# Allegro board RK3588S_Tablet_Demo_LP4XD200P232SD10H2_V11_20220218.brd
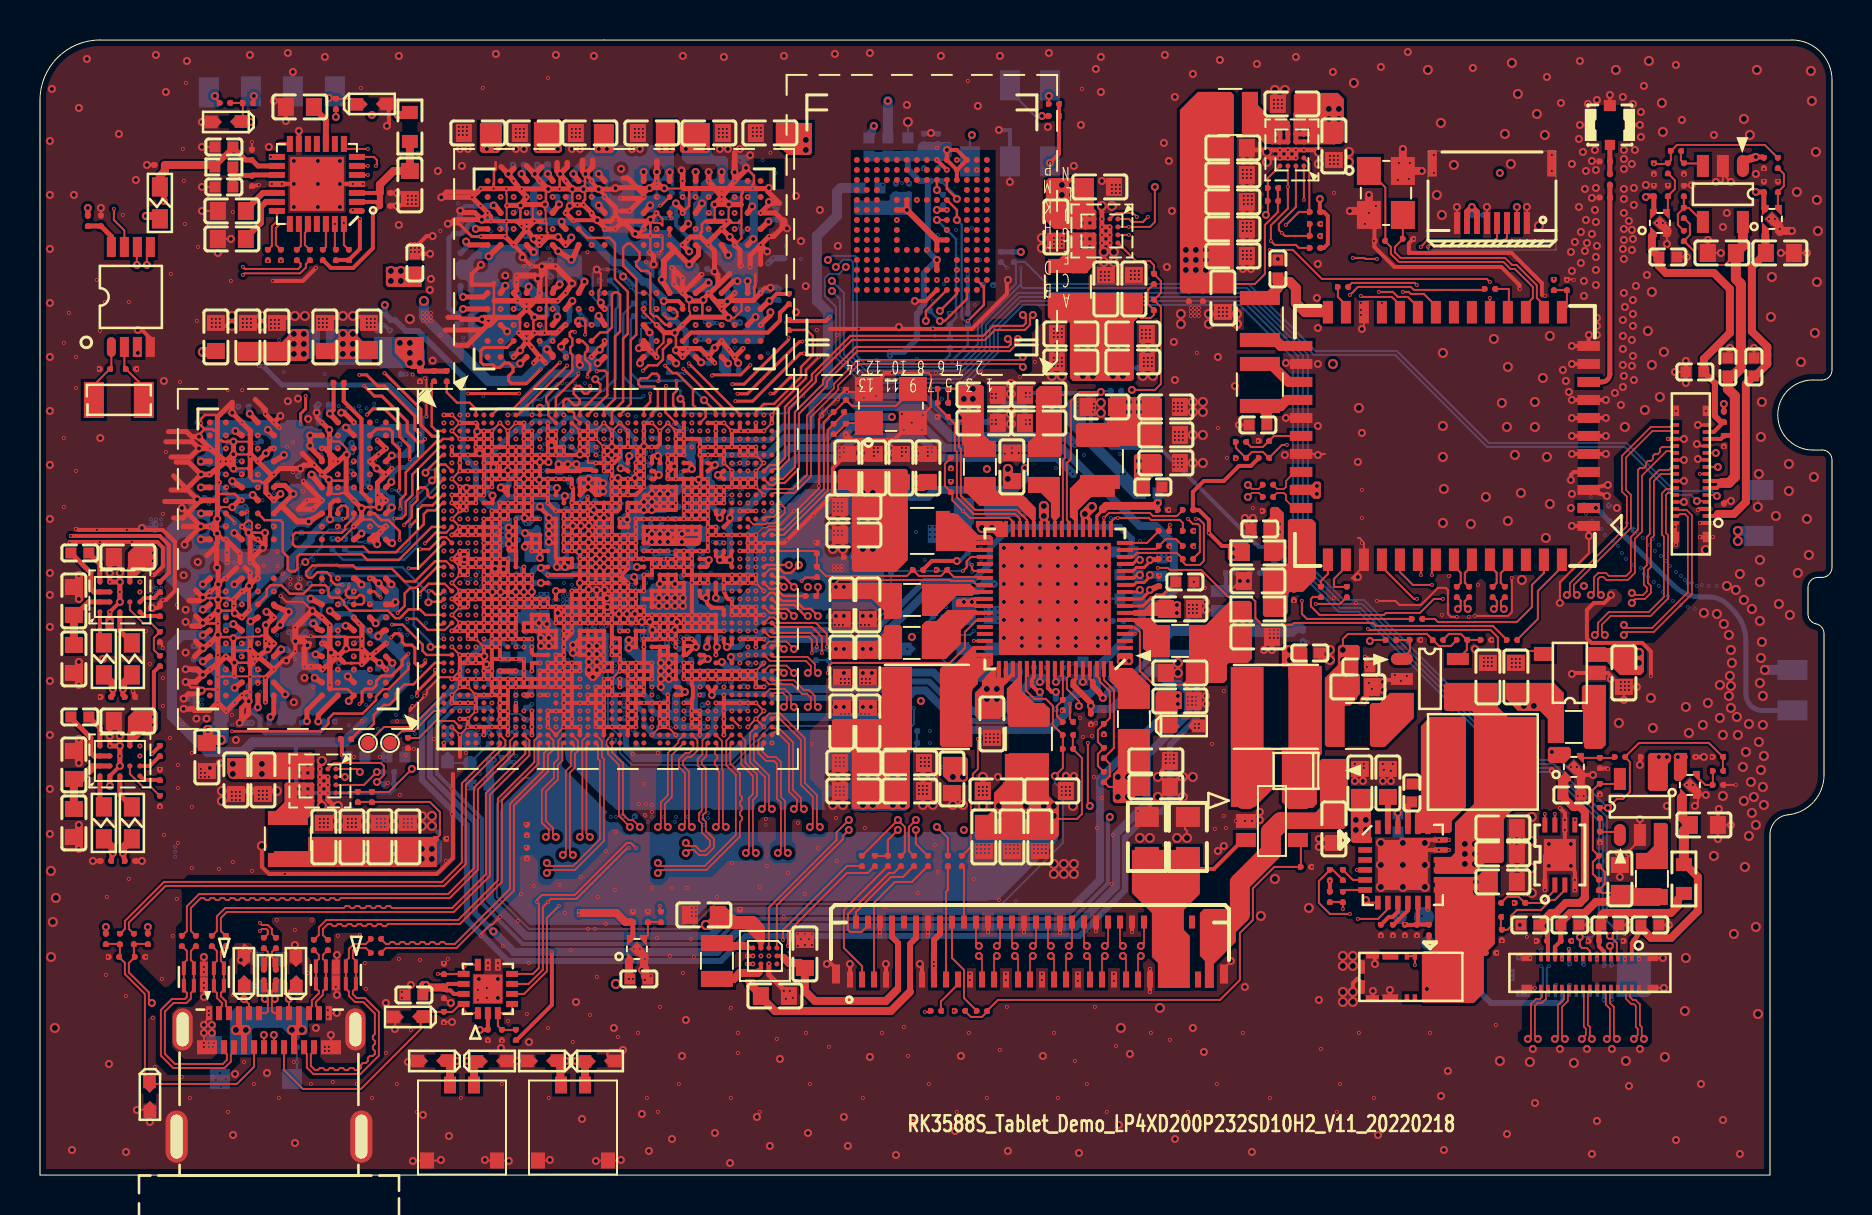
[diagram p0: board, top side]
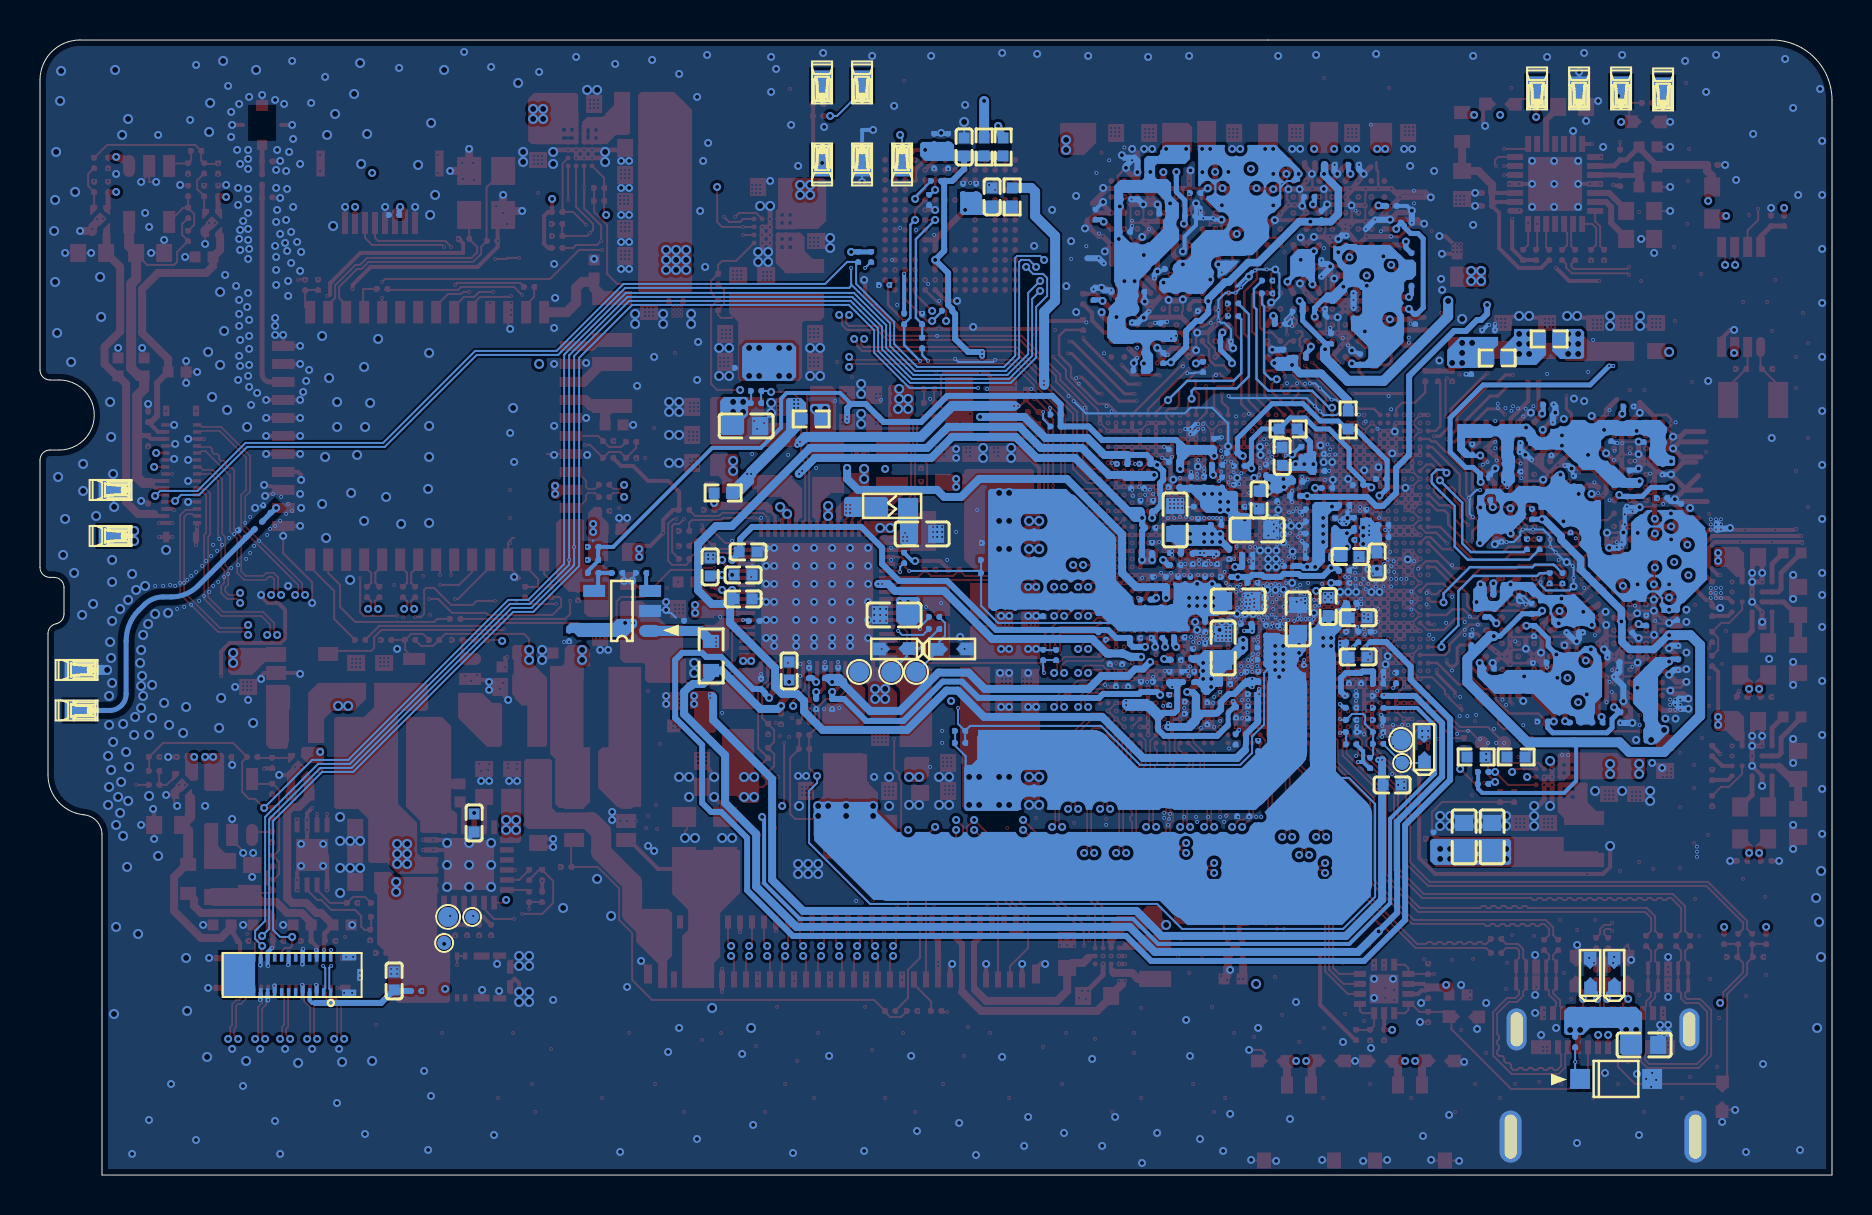
[diagram p1: board, bottom side, seen from below]

Outline 89.6 x 56.75 mm; copper layers: TOP, GND02, S03, POWER04, POWER05, S06, GND07, S08, GND09, BOTTOM. Coordinates in mm from the lower left corner of the outline.
Outline path: 0,53.75 0,0 86.5,0 86.5,17.02 arc(86.76,17.69) 87.4,18.01 arc(88.68,18.66) 89.2,20 89.2,27.07 arc(89.09,27.39) 88.8,27.56 arc(88.51,27.73) 88.4,28.05 88.4,29.38 arc(88.55,29.73) 88.9,29.88 89.1,29.88 arc(89.45,30.03) 89.6,30.38 89.6,35.75 arc(89.45,36.1) 89.1,36.25 88.65,36.25 arc(86.9,38) 88.65,39.75 89.1,39.75 arc(89.45,39.9) 89.6,40.25 89.6,54.75 arc(89.01,56.16) 87.6,56.75 28.21,56.75 3,56.75 arc(0.88,55.87) 0,53.75

## Design rules (mm)
net group DDR_A_CLK: nets DDR_CH0_CLKN_A DDR_CH0_CLKP_A
net group DDR_A_DQS0: nets DDR_CH0_DQS0N_A DDR_CH0_DQS0P_A
net group DDR_A_DQS1: nets DDR_CH0_DQS1N_A DDR_CH0_DQS1P_A
net group DDR_B_CLK: nets DDR_CH0_CLKN_B DDR_CH0_CLKP_B
net group DDR_B_DQS0: nets DDR_CH0_DQS0N_B DDR_CH0_DQS0P_B
net group DDR_B_DQS1: nets DDR_CH0_DQS1N_B DDR_CH0_DQS1P_B
net group DDR_C_CLK: nets DDR_CH1_CLKN_C DDR_CH1_CLKP_C
net group DDR_C_DQS0: nets DDR_CH1_DQS0N_C DDR_CH1_DQS0P_C
net group DDR_C_DQS1: nets DDR_CH1_DQS1N_C DDR_CH1_DQS1P_C
net group DDR_CH0_LP4/4X_CKE0_A: nets DDR_CH0_LP4/4X_CKE0_A N29584131
net group DDR_CH0_LP4/4X_CKE0_B: nets DDR_CH0_LP4/4X_CKE0_B N63380618
net group DDR_CH0_LP4/4X_CKE1_A: nets DDR_CH0_LP4/4X_CKE1_A N29584146
net group DDR_CH0_LP4/4X_CKE1_B: nets DDR_CH0_LP4/4X_CKE1_B N63380616
net group DDR_CH1_LP4/4X_CKE0_C: nets DDR_CH1_LP4/4X_CKE0_C N29609736
net group DDR_CH1_LP4/4X_CKE0_D: nets DDR_CH1_LP4/4X_CKE0_D N29482643
net group DDR_CH1_LP4/4X_CKE1_C: nets DDR_CH1_LP4/4X_CKE1_C N29609761
net group DDR_CH1_LP4/4X_CKE1_D: nets DDR_CH1_LP4/4X_CKE1_D N29482645
net group DDR_D_CLK: nets DDR_CH1_CLKN_D DDR_CH1_CLKP_D
net group DDR_D_DQS0: nets DDR_CH1_DQS0N_D DDR_CH1_DQS0P_D
net group DDR_D_DQS1: nets DDR_CH1_DQS1N_D DDR_CH1_DQS1P_D
net group MIPI_CSI0_RX_CLK0: nets MIPI_CSI0_RX_CLK0N MIPI_CSI0_RX_CLK0P
net group MIPI_CSI0_RX_D0: nets MIPI_CSI0_RX_D0N MIPI_CSI0_RX_D0P
net group MIPI_CSI0_RX_D1: nets MIPI_CSI0_RX_D1N MIPI_CSI0_RX_D1P
net group MIPI_CSI0_RX_D2: nets MIPI_CSI0_RX_D2N MIPI_CSI0_RX_D2P
net group MIPI_CSI0_RX_D3: nets MIPI_CSI0_RX_D3N MIPI_CSI0_RX_D3P
net group MIPI_DPHY0_RX_CLK: nets MIPI_DPHY0_RX_CLKN MIPI_DPHY0_RX_CLKP
net group MIPI_DPHY0_RX_D0: nets MIPI_DPHY0_RX_D0N MIPI_DPHY0_RX_D0P
net group MIPI_DPHY0_RX_D1: nets MIPI_DPHY0_RX_D1N MIPI_DPHY0_RX_D1P
net group MIPI_DPHY0_RX_D2: nets MIPI_DPHY0_RX_D2N MIPI_DPHY0_RX_D2P
net group MIPI_DPHY0_RX_D3: nets MIPI_DPHY0_RX_D3N MIPI_DPHY0_RX_D3P
net group MIPI_DPHY0_TX_CLK: nets MIPI_DPHY0_TX_CLKN MIPI_DPHY0_TX_CLKP
net group MIPI_DPHY0_TX_D0: nets MIPI_DPHY0_TX_D0N MIPI_DPHY0_TX_D0P
net group MIPI_DPHY0_TX_D1: nets MIPI_DPHY0_TX_D1N MIPI_DPHY0_TX_D1P
net group MIPI_DPHY0_TX_D2: nets MIPI_DPHY0_TX_D2N MIPI_DPHY0_TX_D2P
net group MIPI_DPHY0_TX_D3: nets MIPI_DPHY0_TX_D3N MIPI_DPHY0_TX_D3P
net group MIPI_DPHY1_TX_CLK: nets MIPI_DPHY1_TX_CLKN MIPI_DPHY1_TX_CLKP
net group MIPI_DPHY1_TX_D0: nets MIPI_DPHY1_TX_D0N MIPI_DPHY1_TX_D0P
net group MIPI_DPHY1_TX_D1: nets MIPI_DPHY1_TX_D1N MIPI_DPHY1_TX_D1P
net group MIPI_DPHY1_TX_D2: nets MIPI_DPHY1_TX_D2N MIPI_DPHY1_TX_D2P
net group MIPI_DPHY1_TX_D3: nets MIPI_DPHY1_TX_D3N MIPI_DPHY1_TX_D3P
net group PCIE20_0_REFCLK: nets PCIE20_0_REFCLKN PCIE20_0_REFCLKP
net group PCIE20_0_RX: nets PCIE20_0_RXN PCIE20_0_RXP
net group PCIE20_0_TX: nets PCIE20_0_TXN PCIE20_0_TXP
net group PCIE_RD: nets PCIE_RDN PCIE_RDP
net group PCIE_REFCLK: nets PCIE_REFCLKN PCIE_REFCLKP
net group PCIE_TD: nets PCIE_TDN PCIE_TDP
net group TYPEC0_SBU1: nets TYPEC0_SBU1 TYPEC_SBU1
net group TYPEC0_SBU2: nets TYPEC0_SBU2 TYPEC_SBU2
net group TYPEC0_SSRX1N: nets TYPEC0_SSRX1N TYPEC_SSRX1N
net group TYPEC0_SSRX1P: nets TYPEC0_SSRX1P TYPEC_SSRX1P
net group TYPEC0_SSRX2N: nets TYPEC0_SSRX2N TYPEC_SSRX2N
net group TYPEC0_SSRX2P: nets TYPEC0_SSRX2P TYPEC_SSRX2P
net group TYPEC0_SSTX1N: nets TYPEC0_SSTX1N TYPEC_SSTX1N
net group TYPEC0_SSTX1P: nets TYPEC0_SSTX1P TYPEC_SSTX1P
net group TYPEC0_SSTX2N: nets TYPEC0_SSTX2N TYPEC_SSTX2N
net group TYPEC0_SSTX2P: nets TYPEC0_SSTX2P TYPEC_SSTX2P
net group PWR_0.2MM: nets VCC_1V8_LCD
net group TYPEC0_OTG0DM: nets N30546548 TYPEC0_OTG0DM TYPEC0_OTG_DM
net group TYPEC0_OTG0DP: nets N30546566 TYPEC0_OTG0DP TYPEC0_OTG_DP
nets with their own width: min track width 0.064; nets GND

## Placement (name value [footprint] x y rotation side)
BT2000  CON_8P_CPBC308-0301F  [CON_SMD_CPBC308-0301F_8P]  68.54 9.9 180 top
C1000  1uF  [C0201]  28.3 27.23 90 bottom
C1001  100nF  [C0201]  29.74 18.2 270 bottom
C1002  1uF  [C0201]  32.04 34.65 90 bottom
C1003  100nF  [C0201]  32.89 34.4 0 bottom
C1004  1uF  [C0201]  27.69 27.2 90 bottom
C1005  100nF  [C0201]  29.13 18.2 270 bottom
C1006  22uF  [C0603]  40.69 19.2 180 top
C1007  100nF  [C0201]  26.59 25.3 135 bottom
C1008  22uF  [C0603]  28.74 32.25 180 bottom
C1009  100nF  [C0201]  31.39 34.65 90 bottom
C1010  1uF  [C0201]  29.64 33.4 180 bottom
C1011  100nF  [C0201]  54.59 40.35 0 bottom
C1012  22uF  [C0603]  59.14 43.85 270 top
C1013  1uF  [C0201]  31.69 32.55 90 bottom
C1014  100nF  [C0201]  57.44 43.95 270 top
C1015  100nF  [C0201]  30.79 32.5 180 bottom
C1017  10uF  [C0402]  25.19 28.42 90 bottom
C1019  10uF  [C0402]  23.69 27.86 180 bottom
C1020  1uF  [C0201]  29.29 27.55 0 bottom
C1021  1uF  [C0201]  30.74 35.5 180 bottom
C1022  100nF  [C0201]  32.84 30.5 180 bottom
C1023  100nF  [C0201]  24.04 28.6 180 bottom
C1024  100nF  [C0201]  32.64 26.88 180 bottom
C1025  1uF  [C0201]  30.74 30.8 270 bottom
C1026  100nF  [C0201]  31.35 30.8 270 bottom
C1027  22uF  [C0603]  40.69 33.4 180 top
C1028  1uF  [C0201]  31.34 27.41 270 bottom
C1029  100nF  [C0201]  32.08 29.64 90 bottom
C1030  10uF  [C0402]  18.74 45.6 90 top
C1031  1uF  [C0201]  26.04 31.46 0 bottom
C1032  1uF  [C0201]  26.04 33.29 0 bottom
C1033  100nF  [C0201]  26.04 32.07 0 bottom
C1034  100nF  [C0201]  31.34 29.64 90 bottom
C1035  1uF  [C0201]  32.69 29.64 90 bottom
C1036  1uF  [C0201]  26.04 30.85 0 bottom
C1037  100nF  [C0201]  27.14 30.45 0 bottom
C1038  22uF  [C0603]  15.6 16.9 90 top
C1039  1uF  [C0201]  31.95 26.04 90 bottom
C1040  100nF  [C0201]  20.04 16.8 0 top
C1041  1uF  [C0201]  31.23 23.9 270 bottom
C1042  1uF  [C0201]  30.34 24.55 180 bottom
C1043  100nF  [C0201]  31.34 26.3 90 bottom
C1050  22uF  [C0603]  43.49 19.2 0 top
C1051  22uF  [C0603]  43.49 20.6 0 top
C1052  22uF  [C0603]  54.64 40.65 0 top
C1053  22uF  [C0603]  51.54 40.65 180 top
C1054  22uF  [C0603]  18.39 16.9 90 bottom
C1055  22uF  [C0603]  16.99 16.9 90 bottom
C1056  22uF  [C0603]  32.84 32.75 90 bottom
C1057  22uF  [C0603]  59.64 45.95 0 top
C1058  22uF  [C0603]  48.59 16.9 270 top
C1059  22uF  [C0603]  49.99 16.9 270 top
C1060  22uF  [C0603]  40.34 35.35 90 top
C1061  22uF  [C0603]  29.69 28.7 180 bottom
C1063  1uF  [C0201]  26.04 32.68 0 bottom
C1070  1uF  [C0201]  28.69 21.45 90 bottom
C1071  1uF  [C0201]  28.47 25.77 0 bottom
C1072  100nF  [C0201]  28.47 26.38 0 bottom
C1073  100nF  [C0201]  29.88 34.25 90 bottom
C1074  1uF  [C0201]  30.49 34.63 90 bottom
C1075  1uF  [C0201]  31.64 33.41 0 bottom
C1076  100nF  [C0201]  31.96 30.8 270 bottom
C1077  100nF  [C0201]  30.13 31.05 270 bottom
C1078  1uF  [C0201]  32.84 31.1 0 bottom
C1079  1uF  [C0201]  58.14 43.95 270 top
C1080  100nF  [C0201]  24.39 33.5 180 bottom
C1081  100nF  [C0201]  40.44 30.9 180 top
C1082  100nF  [C0201]  42.24 31.6 0 bottom
C1083  1uF  [C0201]  39.44 28.2 270 bottom
C1084  100nF  [C0201]  19.92 16.88 90 bottom
C1085  100nF  [C0201]  31.89 24.9 90 bottom
C1087  22uF  [C0603]  26.69 27.8 90 bottom
C1090  22uF  [C0603]  54.29 37.45 180 bottom
C1100  100nF  [C0201]  33.94 33.45 90 bottom
C1101  100nF  [C0201]  34.57 33.45 90 bottom
C1103  100nF  [C0201]  29.24 30.4 180 bottom
C1104  100nF  [C0201]  28.97 29.6 180 bottom
C1105  100nF  [C0201]  36.49 26.95 225 bottom
C1106  100nF  [C0201]  34.09 32.35 180 bottom
C1107  100nF  [C0201]  33.99 31.35 90 bottom
C1110  100nF  [C0201]  38.84 31.35 90 top
C1111  18pF  [C0201]  40.29 37.3 270 top
C1112  18pF  [C0201]  40.3 39.01 90 top
C1113  1uF  [C0201]  29.24 31.01 180 bottom
C1114  1uF  [C0201]  30.29 29.9 0 bottom
C1125  1uF  [C0201]  34.85 26.85 180 bottom
C1200  10uF  [C0402]  27.49 35.93 90 bottom
C1202  100nF  [C0201]  25.67 36.05 180 bottom
C1203  100nF  [C0201]  26.53 36.15 90 bottom
C1204  100nF  [C0201]  25.64 35.2 180 bottom
C1205  10uF  [C0402]  22.74 30.65 270 bottom
C1206  100nF  [C0201]  23.29 33 90 bottom
C1207  100nF  [C0201]  22.43 32.5 180 bottom
C1208  100nF  [C0201]  22.43 31.89 180 bottom
C1209  1uF  [C0201]  24.39 30.21 180 bottom
C1210  1uF  [C0201]  24.39 29.6 180 bottom
C1211  1uF  [C0201]  29.99 36.1 0 bottom
C1212  1uF  [C0201]  22.54 34.8 0 bottom
C1213  1uF  [C0201]  29.63 35.45 0 bottom
C1214  1uF  [C0201]  25.24 34.35 180 bottom
C1215  1uF  [C0201]  26.84 33.95 0 bottom
C1216  1uF  [C0201]  23.69 34.5 0 bottom
C1217  10uF  [C0402]  24.09 30.92 180 bottom
C1218  100nF  [C0201]  23.9 32.6 90 bottom
C1219  1uF  [C0201]  24.14 31.75 180 bottom
C1220  100nF  [C0201]  24.84 32.59 90 bottom
C1221  1uF  [C0201]  28.29 35.25 90 bottom
C1222  100nF  [C0201]  27.74 33.95 270 bottom
C1223  10uF  [C0402]  28.64 33.75 270 bottom
C1224  100nF  [C0201]  26.74 34.65 180 bottom
C1250  100nF  [C0201]  16.86 41.97 90 bottom
C1251  100nF  [C0201]  19 39.95 270 top
C1252  100nF  [C0201]  17.49 41.97 90 bottom
C1253  100nF  [C0201]  18.04 40.3 270 bottom
C1300  1uF  [C0201]  34.32 28.77 0 bottom
C1301  100nF  [C0201]  23.07 26.9 90 bottom
C1302  100nF  [C0201]  23.68 26.9 90 bottom
C1400  100nF  [C0201]  28.94 22.82 0 bottom
C1401  100nF  [C0201]  28.94 24.04 0 bottom
C1402  1uF  [C0201]  28.94 23.43 0 bottom
C1403  100nF  [C0201]  32.09 23.68 0 bottom
C1404  1uF  [C0201]  28.69 24.9 90 bottom
C1405  100nF  [C0201]  22.69 23.95 0 bottom
C1406  100nF  [C0201]  24.04 23.36 180 bottom
C1407  100nF  [C0201]  24.04 23.97 180 bottom
C1500  1nF  [C0201]  24.04 22.75 180 bottom
C1501  1nF  [C0201]  24.04 22.14 180 bottom
C1502  1nF  [C0201]  24.34 16.1 270 top
C1504  1nF  [C0201]  24.34 17.25 270 top
C1506  100nF  [C0201]  29.3 24.9 90 bottom
C1507  100nF  [C0201]  22.69 24.56 180 bottom
C1508  100nF  [C0201]  32.89 36.27 0 bottom
C1600  1uF  [C0201]  35.19 24.7 270 bottom
C1601  100nF  [C0201]  35.8 24.7 270 bottom
C1602  100nF  [C0201]  36.1 25.81 270 bottom
C1603  1uF  [C0201]  35.49 25.81 270 bottom
C1604  1uF  [C0201]  33.14 23.75 270 bottom
C1605  1uF  [C0201]  32.5 24.9 90 bottom
C1607  100nF  [C0201]  33.94 24.4 90 bottom
C1608  100nF  [C0201]  34.55 24.4 90 bottom
C1609  100nF  [C0201]  32.09 23.07 0 bottom
C1610  100nF  [C0201]  31.23 22.79 270 bottom
C1611  100nF  [C0201]  33.11 24.9 90 bottom
C1612  1uF  [C0201]  29.82 21.78 270 bottom
C1613  1uF  [C0201]  29.8 23.13 270 bottom
C1710  100nF  [C0201]  23.54 24.85 270 bottom
C1711  4.7uF  [C0402]  21.99 19.5 180 bottom
C1712  100nF  [C0201]  24.15 24.85 270 bottom
C1713  100nF  [C0201]  24.29 26.9 90 bottom
C1714  4.7uF  [C0402]  23.69 25.9 180 bottom
C1725  1uF  [C0201]  22.69 25.17 180 bottom
C1800  100nF  [C0201]  34.39 34.6 270 bottom
C1801  1uF  [C0201]  35.04 34.6 270 bottom
C1802  100nF  [C0201]  34.34 35.55 0 bottom
C1803  1uF  [C0201]  35.49 35.55 0 bottom
C1902  100nF  [C0201]  33.3 29.64 90 bottom
C1903  100nF  [C0201]  33.74 26.85 0 bottom
C1904  100nF  [C0201]  33.95 29.64 90 bottom
C1905  100nF  [C0201]  30.89 36.55 90 bottom
C1906  100nF  [C0201]  32.89 35.65 0 bottom
C1907  100nF  [C0201]  32.81 25.76 180 bottom
C2006  1uF  [C0201]  73.99 13.6 180 top
C2007  1uF  [C0201]  73.09 12 270 top
C2124  12pF  [C0201]  3.24 40.3 180 top
C2125  DNP  [C0201]  4.54 40.3 0 top
C2126  100nF  [C0201]  3.04 47.7 90 top
C2200  22uF  [C0603]  46.89 28 0 bottom
C2201  22uF  [C0603]  45.59 19.8 270 top
C2202  22uF  [C0603]  41.39 25.6 270 top
C2203  22uF  [C0603]  40.09 25.6 270 top
C2205  22uF  [C0603]  41.39 22.65 90 top
C2209  1uF  [C0201]  43.59 21.6 180 bottom
C2210  22uF  [C0603]  40.09 22.65 90 top
C2213  22uF  [C0603]  44.39 35.35 90 top
C2214  22uF  [C0603]  47.19 39 0 top
C2215  22uF  [C0603]  47.19 37.6 0 top
C2216  100pF  [C0201]  45.14 39.3 180 top
C2217  22uF  [C0603]  43.04 35.35 90 top
C2218  22uF  [C0603]  41.69 35.35 90 top
C2221  1uF  [C0201]  42.29 30.75 0 bottom
C2225  10uF  [C0603]  56.99 23.7 0 top
C2226  22uF  [C0603]  47.59 22.55 270 top
C2227  22uF  [C0603]  55.79 19.4 0 top
C2228  22uF  [C0603]  55.79 20.7 0 top
C2229  100pF  [C0201]  53.19 19.9 90 top
C2230  1uF  [C0201]  51.39 21.3 0 top
C2231  22uF  [C0603]  50.59 19.2 0 top
C2232  22uF  [C0603]  47.19 16.9 270 top
C2235  10uF  [C0603]  56.99 28.3 0 top
C2236  22uF  [C0603]  56.29 35.6 0 top
C2237  22uF  [C0603]  56.29 38.4 0 top
C2238  22uF  [C0603]  56.99 25.1 180 top
C2239  22uF  [C0603]  60.89 26.9 0 top
C2240  22uF  [C0603]  53.09 38.4 180 top
C2241  22uF  [C0603]  48.59 35.4 90 top
C2242  22uF  [C0603]  49.94 37.6 180 top
C2243  22uF  [C0603]  49.94 39 180 top
C2244  22uF  [C0603]  41.39 28.5 270 top
C2245  22uF  [C0603]  40.09 28.5 270 top
C2246  1uF  [C0201]  51.14 25.1 90 bottom
C2247  1uF  [C0201]  50.79 23.55 270 bottom
C2248  1uF  [C0201]  56.14 33.25 0 top
C2249  1uF  [C0201]  50.34 25.1 90 bottom
C2250  1uF  [C0201]  49.99 23.55 270 bottom
C2251  1uF  [C0201]  52.54 22.8 270 top
C2252  1uF  [C0402]  52.14 25.2 90 bottom
C2253  1uF  [C0201]  53.54 24.55 90 bottom
C2254  1uF  [C0402]  55.64 34.4 0 top
C2255  2.2uF  [C0402]  54.19 31.15 180 bottom
C2257  1uF  [C0201]  56.19 30.8 0 top
C2258  2.2uF  [C0402]  54.44 30 180 bottom
C2259  2.2uF  [C0402]  56.09 30.4 90 bottom
C2260  1nF  [C0201]  45.54 34.4 90 top
C2261  100nF  [C0201]  53.89 27.7 180 bottom
C2262  100nF  [C0201]  45.09 30.25 180 top
C2263  2.2uF  [C0402]  54.44 28.8 180 bottom
C2264  1uF  [C0201]  55.94 29.7 90 top
C2265  2.2uF  [C0402]  57.24 29.65 0 top
C2280  22uF  [C0603]  40.69 20.6 180 top
C2281  22uF  [C0603]  40.69 32 180 top
C2282  22uF  [C0603]  47.84 19.2 180 top
C2283  22uF  [C0603]  56.29 37 0 top
C2290  1uF  [C0201]  49.69 25.1 90 bottom
C2291  1uF  [C0201]  53.8 38.6 180 bottom
C2300  22uF  [C0603]  52.99 49.4 0 top
C2301  22uF  [C0603]  50.79 47.4 270 top
C2302  1uF  [C0201]  55.69 43.5 270 top
C2303  22uF  [C0603]  54.69 44.3 90 top
C2304  22uF  [C0603]  51.54 42.05 180 top
C2306  22uF  [C0603]  53.29 44.3 90 top
C2307  22uF  [C0603]  54.64 42.05 0 top
C2308  22uF  [C0603]  62.59 53.55 180 top
C2309  22uF  [C0603]  64.69 51.45 270 top
C2310  1uF  [C0201]  61.64 49.35 0 top
C2311  22uF  [C0603]  59.64 47.3 0 top
C2312  22uF  [C0603]  59.64 48.65 0 top
C2314  22uF  [C0603]  59.64 51.35 0 top
C2315  22uF  [C0603]  59.64 50 0 top
C2316  22uF  [C0603]  11.14 19.75 270 top
C2317  22uF  [C0603]  9.79 19.75 270 top
C2318  1uF  [C0201]  16.59 18.9 90 top
C2319  22uF  [C0603]  16.99 16.9 90 top
C2320  22uF  [C0603]  18.39 16.9 90 top
C2322  22uF  [C0603]  14.19 16.9 90 top
C2323  22uF  [C0603]  30.44 26.35 90 bottom
C2324  10uF  [C0603]  72.39 24.9 90 top
C2325  100pF  [C0201]  69.89 26.75 0 top
C2326  22uF  [C0603]  65.89 24.4 0 top
C2327  100nF  [C0402]  66.04 25.4 0 top
C2328  100nF  [C0201]  68.74 26.75 0 top
C2330  1uF  [C0201]  63.14 26.95 270 bottom
C2331  1uF  [C0201]  57.39 27.45 90 bottom
C2356  22uF  [C0603]  45.49 32.05 180 bottom
C2504  10uF  [C0603]  65.99 19.6 90 top
C2505  10uF  [C0603]  67.39 19.6 90 top
C2506  47nF  [C0402]  68.59 19.1 270 top
C2507  10uF  [C0603]  73.14 16.05 0 top
C2508  10uF  [C0603]  73.14 17.35 0 top
C2509  10uF  [C0603]  73.14 14.65 0 top
C2510  100nF  [C0201]  72.54 11.1 0 top